# Altium PCB UltraZohm_ADC.PcbDoc (part 3 of 4) (continued)
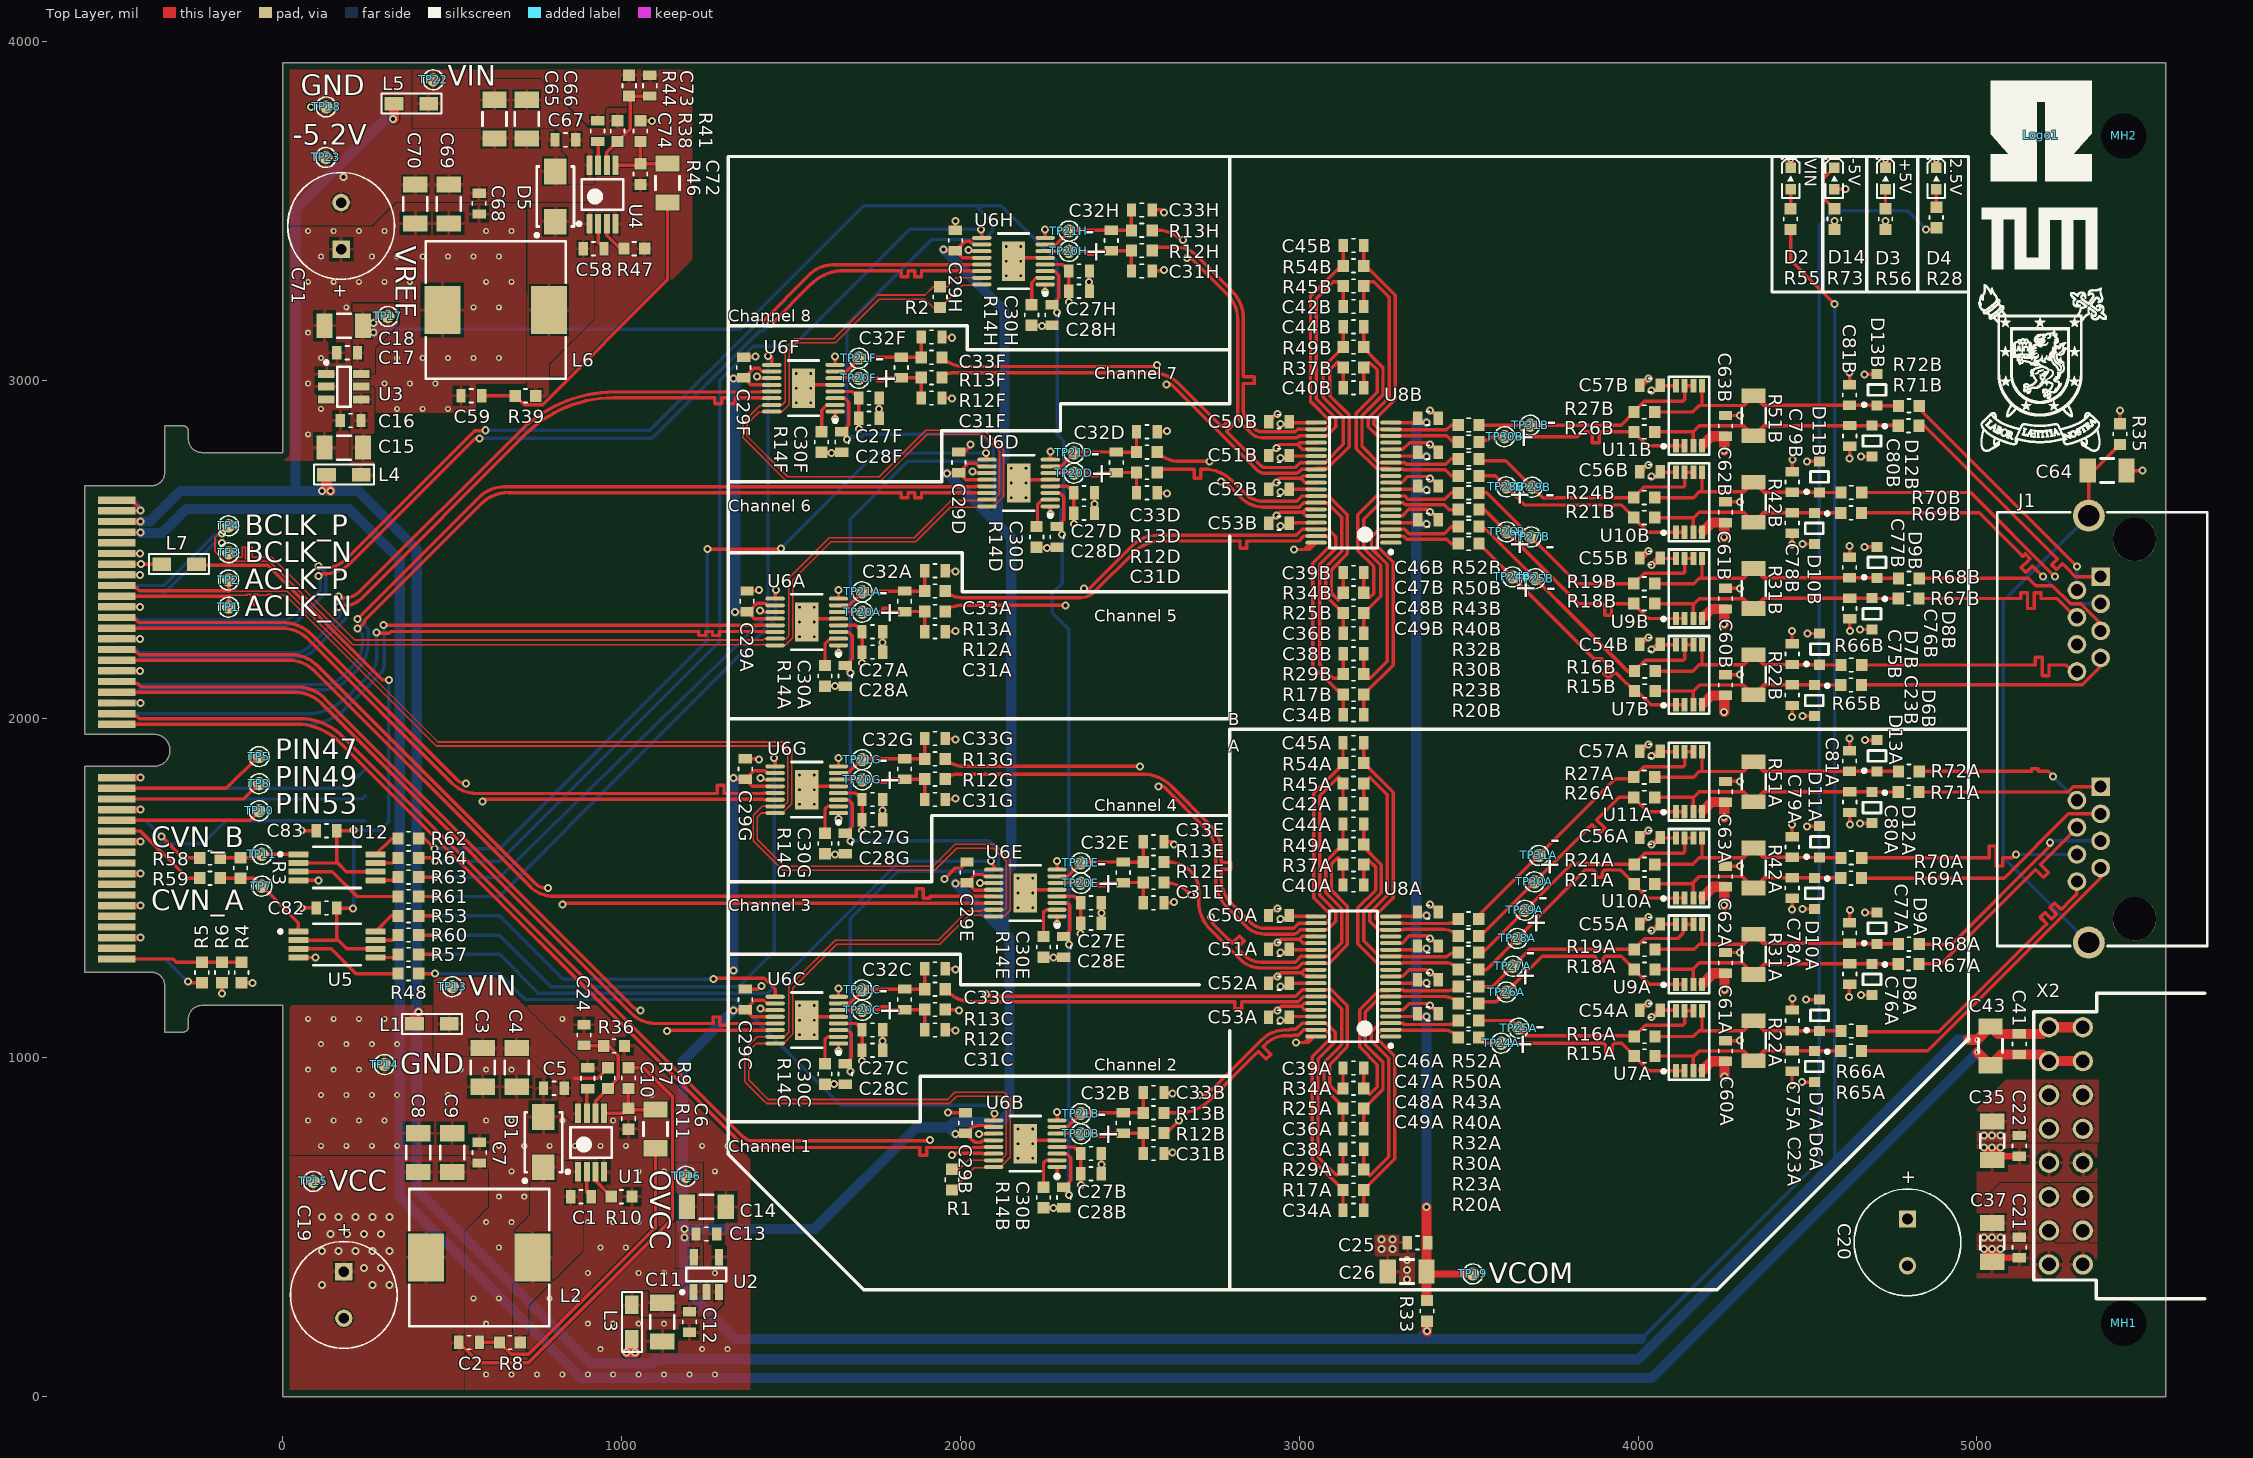
[diagram p0: Top Layer view]
## Nets (pads, with @x,y where several pads share a name; then routed paths per layer and width w, separated by ;. In a path a pad name is that pad's centre, name@x,y a point inside that pad or via, vN(x,y) a via of type N, cw(c..) or ccw(c..) an arc to the next point about the centre after c; other vN are vias at no path point) (continued)
  Top Layer w20: X1.75@-490,1354.33 v1@-420,1354.33 ; X1.69@-490,1448.82 v1(-420,1448.82) ; X1.63@-490,1543.31 v1(-420,1543.31) ; X1.51@-490,1732.28 v1(-420,1732.28) ; X1.45@-490,1826.77 v1(-420,1826.77) ; X1.57@-489.9,1637.9 v1@-420.1,1637.9 ; D2.1@4450,3626.5 v2(4450,3650.4) ; D3.1@4730,3626.5 v2(4730,3650) ; D4.1@4880,3626.5 v2(4880,3650) ; v1(5020,435) C37.1@5045,410 ; v1(5020,735) C35.1@5045,710 ; C37.1@5045,397.91 C37.1@5045,410 ; C37.1@5056.57,409.49 C21.1@5125,409.49 ; v1(5070,435) C37.1@5045,410 ; v1(5070,735) C35.1@5045,710 ; C22.1@5125,709.49 5056.57,709.49 C35.1@5045,697.91 C35.1@5045,710
  Top Layer w30: v2(5001.41,1016.5) C43.1@5040,977.91 5071.57,1009.49 C41.1@5125,1009.49 5193.07,1009.49 X2.10@5212.56,990 X2.2@5312.56,990
  Bottom Layer w10: v1@-420.1,1637.9 v1(-420,1638)
  Bottom Layer w20: X1.76@-490,1354.33 v1@-420,1354.33 ; X1.70@-490,1448.82 v1(-420,1448.82) ; X1.64@-490,1543.31 v1(-420,1543.31) ; X1.52@-490,1732.28 v1(-420,1732.28) ; X1.46@-490,1826.77 v1(-420,1826.77) ; X1.40@-490,2047.24 v1(-420,2047.24) ; X1.34@-490,2141.73 v1(-421,2141.73) ; X1.28@-490,2236.22 v1(-422,2236.22) ; X1.22@-490,2331 v1(-421,2331) ; X1.16@-490,2425.2 v1(-422,2425.2) ; X1.12@-490,2488.19 v1(-422,2488.19) ; X1.8@-490,2550 v1(-420,2550) ; X1.4@-490,2614.17 -421.81,2614.17 -420.98,2615 v1(-420,2615) -420,2619.96 -445.71,2645.67 X1.2@-490,2645.67 ; X1.58@-489.9,1637.9 v1@-420.1,1637.9
  Bottom Layer w30: v1@-420,2549.18 -355.82,2549.18 -285,2620 195,2620 345,2470 345,590 880,55 4039.91,55 v2(5001.41,1016.5)
  other v1: 3318.46,345 3318.46,374 3318.46,403.5 3242,435 5045,435 3275,436 3242,464 3275,464 5045,735 3385,1154 3385,1251 3385,1352 -420,1354.49 3385,1452
  other v2: 600,65 675,65 750,65 825,65 900,65 975,65 1050,65 1125,65 1200,65 1275,65 937.5,140 1237.5,140 1312.5,140 600,215 900,215 975,215 1050,215 1125,215 562.5,290 637.5,290 787.5,290 862.5,290 900,365 1050,365 1125,365 1275,365 637.5,440 937.5,440 1012.5,440 600,515 675,515 900,515 975,515 1050,515 637.5,590 712.5,590 675,665 1050,665 1125,665 1275,665 112.5,740 187.5,740 262.5,740 337.5,740 637.5,740 712.5,740 787.5,740 862.5,740 937.5,740 1012.5,740 1237.5,740 1312.5,740 75,815 150,815 225,815 300,815 600,815 675,815 825,815 975,815 112.5,890 187.5,890 262.5,890 337.5,890 487.5,890 1087.5,890 75,965 150,965 225,965 450,965 525,965 600,965 675,965 112.5,1040 187.5,1040 262.5,1040 337.5,1040 75,1115 150,1115 225,1115 300,1115 825,1115 75,2840 112.5,2915 337.5,2915 412.5,2915 487.5,2915 75,2990 300,2990 375,2990 450,2990 112.5,3065 337.5,3065 412.5,3065 487.5,3065 562.5,3065 637.5,3065 75,3140 187.5,3215 562.5,3215 637.5,3215 75,3290 150,3290 225,3290 300,3290 375,3290 600,3290 675,3290 112.5,3365 262.5,3365 337.5,3365 412.5,3365 487.5,3365 562.5,3365 637.5,3365 75,3440 150,3440 225,3440 300,3440 600,3440 675,3440
  other v3: 2169.84,703.15 2213.15,703.15 2169.84,746.46 2213.15,746.46 2169.84,789.76 2213.15,789.76 1524.84,1067.8 1568.15,1067.8 1524.84,1111.1 1568.15,1111.1 1524.84,1154.41 1568.15,1154.41 2169.84,1442.8 2213.15,1442.8 2169.84,1486.1 2213.15,1486.1 2169.84,1529.41 2213.15,1529.41 1524.84,1747.8 1568.15,1747.8 1524.84,1791.1 1568.15,1791.1 1524.84,1834.41 1568.15,1834.41 1524.84,2242.8 1568.15,2242.8 1524.84,2286.1 1568.15,2286.1 1524.84,2329.41 1568.15,2329.41 2149.84,2652.99 2193.15,2652.99 2149.84,2696.3 2193.15,2696.3 2149.84,2739.61 2193.15,2739.61 1514.84,2932.8 1558.15,2932.8 1514.84,2976.1 1558.15,2976.1 1514.84,3019.41 1558.15,3019.41 2134.84,3307.8 2178.15,3307.8 2134.84,3351.1 2178.15,3351.1 2134.84,3394.41 2178.15,3394.41
NetC1_1: C1.1 U1.2 | length 78.9
  Top Layer w10: U1.2@897.2,663.39 897.2,603.31 C1.1@910.51,590
NetC2_2: C2.2 C6.2 R8.2 | length 922.2
  Top Layer w10: C2.2@580.51,160 R8.2@639.49,160 674.49,125 725,125 1100,500 C6.2@1100,732.91
NetC3_2: C3.2 C4.2 C5.1 L1.2 R7.1 TP13.1 U1.8 | length 112.6
  Top Layer w10: 860,940 929.49,940 R7.1@960,970.51
NetC6_1: C6.1 R9.1 R11.2 U1.5 | length 217.8
  Top Layer w10: U1.5@948.39,836.61 1006.1,836.61 R11.2@1020,850.51 ; R9.1@1020,909.49 R11.2@1020,850.51 ; C6.1@1100,847.09 1023.43,847.09 R11.2@1020,850.51
NetC10_1: C10.1 U1.7 | length 73.6
  Top Layer w10: U1.7@897.2,836.61 897.2,906.22 C10.1@900,909.02
NetC23A_1: C23A.1 D6A.1 R15A.1 R22A.2 R65A.2 U7A.3 | length 622.4
  Top Layer w10: R15A.1@4049.51,1005.04 4160.04,1005.04 4162.8,1002.28 ; U7A.3@4162.8,961.42 4162.8,1002.28 ; R65A.2@4598,1020.28 D6A.1@4520.17,1020.28 4519.66,1020.8 C23A.1@4454.51,1020.8 4370.85,1020.8 R22A.2@4341,990.94 4311.94,1020 4180.51,1020 4162.8,1002.28
NetC23B_1: C23B.1 D6B.1 R15B.1 R22B.2 R65B.2 U7B.3 | length 620.7
  Top Layer w10: R15B.1@4050.02,2082.28 4162.8,2082.28 ; U7B.3@4162.8,2041.42 4162.8,2082.28 ; R65B.2@4598,2100.28 D6B.1@4520.17,2100.28 4519.72,2100.73 C23B.1@4454.51,2100.73 4370.79,2100.73 R22B.2@4341,2070.94 4311.94,2100 4180.51,2100 4162.8,2082.28
NetC58_2: C58.2 U4.2 | length 80.7
  Top Layer w10: U4.2@930.4,3461.17 930.4,3404.9 C58.2@947.71,3387.6
NetC59_2: C59.2 C72.1 R39.1 | length 940.8
  Top Layer w10: C59.2@586.71,2953.78 R39.1@685.69,2953.78 711.9,2927.57 766.96,2927.57 1135.2,3295.8 C72.1@1135.2,3524.7
NetC64_2: C64.2 J1.S1 J1.S2 R35.2 | length 1728.7
  Top Layer w10: C64.2@5326.91,2733 C64.2@5330,2733 ; J1.S2@5330,2600 C64.2@5330,2733 ; R35.2@5422,2809.98 5345.02,2733 C64.2@5330,2733
  Bottom Layer w10: J1.S1@5330,1340 5078,1592 5078,2348 J1.S2@5330,2600
NetC75A_1: C75A.1 D7A.1 R16A.1 R22A.1 R66A.2 U7A.5 | length 639.1
  Top Layer w10: R16A.1@4049.51,1062.83 4163.35,1062.83 4180.51,1080 4188.39,1080 ; U7A.5@4188.39,1138.58 4188.39,1080 ; R66A.2@4598.49,1079.28 4598.43,1079.22 D7A.1@4535,1079.22 4534.45,1079.77 C75A.1@4455,1079.77 4370.28,1079.77 R22A.1@4341,1109.06 4311.94,1080 4188.39,1080
NetC75B_1: C75B.1 D7B.1 R16B.1 R22B.1 R66B.2 U7B.5 | length 639.3
  Top Layer w10: R16B.1@4050.02,2140.99 4161.5,2140.99 4180.51,2160 4188.39,2160 ; U7B.5@4188.39,2218.58 4188.39,2160 ; R66B.2@4598.49,2159.28 4535.63,2159.28 D7B.1@4535,2159.91 4455.86,2159.91 C75B.1@4455,2160.77 4369.28,2160.77 R22B.1@4341,2189.06 4311.94,2160 4188.39,2160
NetC76A_1: C76A.1 D8A.1 R18A.1 R31A.2 R67A.2 U9A.3 | length 799.7
  Top Layer w10: R18A.1@4049.51,1261 4161.51,1261 4162.8,1262.28 ; U9A.3@4162.8,1216.42 4162.8,1262.28 ; R67A.2@4768,1277.28 4767.94,1277.35 D8A.1@4690.17,1277.35 4689.72,1277.8 C76A.1@4624.51,1277.8 4372.85,1277.8 R31A.2@4341,1245.94 4306.94,1280 4180.51,1280 4162.8,1262.28
NetC76B_1: C76B.1 D8B.1 R18B.1 R31B.2 R67B.2 U9B.3 | length 793.9
  Top Layer w10: R18B.1@4048.51,2340 4160.08,2340 4162.8,2337.28 ; U9B.3@4162.8,2296.42 4162.8,2337.28 ; D8B.1@4690.17,2356.35 D8B.1@4690.13,2356.31 ; R67B.2@4768,2355.28 4691.16,2355.28 D8B.1@4690.13,2356.31 ; 4162.8,2337.28 4180.51,2355 4311.94,2355 R31B.2@4341,2325.94 4371.36,2356.31 C76B.1@4624.51,2356.31 D8B.1@4690.13,2356.31
NetC77A_1: C77A.1 D9A.1 R19A.1 R31A.1 R68A.2 U9A.5 | length 807.7
  Top Layer w10: R19A.1@4049.51,1320 4165.51,1320 4180.51,1335 4188.39,1335 ; U9A.5@4188.39,1393.58 4188.39,1335 ; R68A.2@4768.49,1335.28 4767.55,1336.22 D9A.1@4705,1336.22 4625.27,1336.22 C77A.1@4624,1337.49 4367.57,1337.49 R31A.1@4341,1364.06 4311.94,1335 4188.39,1335
NetC77B_1: C77B.1 D9B.1 R19B.1 R31B.1 R68B.2 U9B.5 | length 809.2
  Top Layer w10: R19B.1@4048.51,2399 4164.51,2399 4180.51,2415 4188.39,2415 ; U9B.5@4188.39,2473.58 4188.39,2415 ; R68B.2@4768.49,2415.09 4705.94,2415.09 D9B.1@4705,2416.03 4704.54,2416.49 C77B.1@4624,2416.49 4368.57,2416.49 R31B.1@4341,2444.06 4311.94,2415 4188.39,2415
NetC78A_1: C78A.1 D10A.1 R21A.1 R42A.2 R69A.2 U10A.3 | length 631.2
  Top Layer w10: R21A.1@4049.1,1513.23 4158.75,1513.23 4162.8,1517.28 ; U10A.3@4162.8,1471.42 4162.8,1517.28 ; R69A.2@4598,1530.13 4596.94,1531.19 D10A.1@4520.17,1531.19 4454.96,1531.19 C78A.1@4454.51,1531.64 4371.69,1531.64 R42A.2@4341,1500.94 4306.94,1535 4180.51,1535 4162.8,1517.28
NetC78B_1: C78B.1 D10B.1 R21B.1 R42B.2 R69B.2 U10B.3 | length 623.1
  Top Layer w10: R21B.1@4048.51,2594 4161.08,2594 4162.8,2592.28 ; U10B.3@4162.8,2550.91 4162.8,2592.28 ; R69B.2@4598,2608.28 4597.94,2608.35 D10B.1@4520.17,2608.35 4519.72,2608.8 C78B.1@4454.51,2608.8 4369.36,2608.8 R42B.2@4341,2580.43 4311.43,2610 4180.51,2610 4162.8,2592.28
NetC79A_1: C79A.1 D11A.1 R24A.1 R42A.1 R70A.2 U10A.5 | length 639.8
  Top Layer w10: R24A.1@4049.1,1571 4161.51,1571 4180.51,1590 4188.39,1590 ; U10A.5@4188.39,1648.58 4188.39,1590 ; R70A.2@4598.49,1590.25 4535.94,1590.25 D11A.1@4535,1591.19 4455.55,1591.19 C79A.1@4455,1591.74 4368.32,1591.74 R42A.1@4341,1619.06 4311.94,1590 4188.39,1590
NetC79B_1: C79B.1 D11B.1 R24B.1 R42B.1 R70B.2 U10B.5 | length 639.5
  Top Layer w10: R24B.1@4048.51,2653 4163.51,2653 4180.51,2670 4188.39,2670 ; U10B.5@4188.39,2728.07 4188.39,2670 ; R70B.2@4598.49,2668.28 4598.43,2668.22 D11B.1@4535,2668.22 4534.45,2668.77 C79B.1@4455,2668.77 4370.77,2668.77 R42B.1@4341,2698.54 4312.46,2670 4188.39,2670
NetC80A_1: C80A.1 D12A.1 R26A.1 R51A.2 R71A.2 U11A.3 | length 793
  Top Layer w10: R26A.1@4047.89,1768.49 4161.59,1768.49 4162.8,1767.28 ; U11A.3@4162.8,1726.42 4162.8,1767.28 ; R71A.2@4768,1784.28 D12A.1@4690.17,1784.35 D12A.1@4690.17,1784.35 4689.72,1784.8 C80A.1@4624.51,1784.8 4369.85,1784.8 R51A.2@4341,1755.94 4311.94,1785 4180.51,1785 4162.8,1767.28
NetC80B_1: C80B.1 D12B.1 R26B.1 R51B.2 R71B.2 U11B.3 | length 793.1
  Top Layer w10: R26B.1@4048.57,2847.28 4162.8,2847.28 ; U11B.3@4162.8,2806.42 4162.8,2847.28 ; R51B.2@4341,2835 4311,2865 4180.51,2865 4162.8,2847.28 ; R51B.2@4341,2835.94 4370.85,2865.8 C80B.1@4624.51,2865.8 4689.62,2865.8 D12B.1@4690.17,2866.35 4766.94,2866.35 R71B.2@4768,2865.28
NetC81A_1: C81A.1 D13A.1 R27A.1 R51A.1 R72A.2 U11A.5 | length 810.3
  Top Layer w10: R27A.1@4047.89,1828 R27A.1@4048.51,1828 4163.51,1828 4180.51,1845 4188.39,1845 ; U11A.5@4188.39,1903.58 4188.39,1845 ; R72A.2@4768.49,1845.28 4705.13,1845.28 D13A.1@4705,1845.16 4624.33,1845.16 C81A.1@4624,1845.49 4369.57,1845.49 R51A.1@4341,1874.06 4311.94,1845 4188.39,1845
NetC81B_1: C81B.1 D13B.1 R27B.1 R51B.1 R72B.2 U11B.5 | length 810.7
  Top Layer w10: R27B.1@4048.57,2906 4161.51,2906 4180.51,2925 4188.39,2925 ; U11B.5@4188.39,2983.58 4188.39,2925 ; R72B.2@4768.49,2924.28 4705.94,2924.28 D13B.1@4705,2925.22 4704.73,2925.49 C81B.1@4624,2925.49 4369.57,2925.49 R51B.1@4341,2954.06 4311.94,2925 4188.39,2925
NetD2_2: D2.2 R55.1 | length 58
  Top Layer w10: R55.1@4450,3505.51 D2.2@4450,3563.5
NetD3_2: D3.2 R56.1 | length 58
  Top Layer w10: R56.1@4730,3505.51 D3.2@4730,3563.5
NetD4_2: D4.2 R28.1 | length 58
  Top Layer w10: R28.1@4880,3505.51 D4.2@4880,3563.5
NetD14_1: D14.1 R73.2 | length 147.9
  Top Layer w10: R73.2@4579,3505.51 4546.5,3538.01 4546.5,3594 D14.1@4579,3626.5
NetL7_2: L7.2 X1.13 X1.14 | length 204.6
  Top Layer w10: X1.13@-490,2456.69 v4(-418.24,2456.69) L7.2@-357.18,2456.69
  Bottom Layer w10: X1.14@-490,2456.69 v4(-418.24,2456.69)
NetR4_2: R4.2 R5.1 R6.2 X1.79 | length 372.4
  Top Layer w10: X1.79@-490,1291.34 -323.34,1291.34 -314.05,1282.05 -121.53,1282.05 R4.2@-121.49,1282.09
NetR5_2: R5.2 X1.80 | length 280.1
  Top Layer w10: v1(-280,1225) -276.06,1221.06 R5.2@-239,1221.06
  Bottom Layer w10: X1.80@-490,1291.34 -346.34,1291.34 v1(-280,1225)
NetR10_2: R10.2 U1.3 | length 92.7
  Top Layer w10: U1.3@922.8,663.39 922.8,636.69 R10.2@969.49,590
NetR14A_2: R14A.2 U6A.2 | length 109.9
  Top Layer w10: R14A.2@1600,2157.72 1600,2221.06 1615.83,2236.89 U6A.2@1640,2236.89
NetR14B_2: R14B.2 U6B.2 | length 114.6
  Top Layer w10: R14B.2@2245,618.07 2245,689.47 2252.77,697.24 U6B.2@2285,697.24
NetR14C_2: R14C.2 U6C.2 | length 114.6
  Top Layer w10: R14C.2@1600,982.72 1600,1054.12 1607.77,1061.89 U6C.2@1640,1061.89
NetR14D_2: R14D.2 U6D.2 | length 109.9
  Top Layer w10: R14D.2@2225,2567.91 2227.39,2570.3 2227.39,2633.65 2240.83,2647.09 U6D.2@2265,2647.09
NetR14E_2: R14E.2 U6E.2 | length 114.6
  Top Layer w10: R14E.2@2245,1357.72 2245,1429.12 2252.77,1436.89 U6E.2@2285,1436.89
NetR14F_2: R14F.2 U6F.2 | length 109.9
  Top Layer w10: R14F.2@1590,2847.72 1590,2911.06 1605.83,2926.89 U6F.2@1630,2926.89
NetR14G_2: R14G.2 U6G.2 | length 114.6
  Top Layer w10: R14G.2@1600,1662.72 1600,1734.12 1607.77,1741.89 U6G.2@1640,1741.89
NetR14H_2: R14H.2 U6H.2 | length 110.9
  Top Layer w10: R14H.2@2210,3222.72 2210,3287.82 2224.07,3301.89 U6H.2@2250,3301.89
NetR48_1: R48.1 U5.3 | length 324.4
  Top Layer w10: U5.3@45.83,1321.41 142.59,1321.41 216,1248 R48.1@339.84,1248
NetR53_1: R53.1 U5.8 | length 84.9
  Top Layer w10: U5.8@274.17,1372.59 320.58,1419 R53.1@339.84,1419
NetR57_1: R57.1 U5.5 | length 69.5
  Top Layer w10: U5.5@274.17,1295.82 330.66,1295.82 R57.1@339.84,1305
NetR58_1: R58.1 X1.54 | length 290.4
  Top Layer w10: v1(-358,1653) -295,1590 R58.1@-245.51,1590
  Bottom Layer w10: X1.54@-490,1700.79 -405.79,1700.79 v1(-358,1653)
NetR59_2: R59.2 X1.55 | length 302.2
  Top Layer w10: X1.55@-490,1669.29 -420.45,1669.29 -281.15,1530 R59.2@-245.51,1530
NetR60_1: R60.1 U5.7 | length 71.9
  Top Layer w10: U5.7@274.17,1347 324.84,1347 R60.1@339.84,1362
NetR61_1: R61.1 U12.3 | length 324.3
  Top Layer w10: U12.3@45.83,1549.2 145.8,1549.2 219,1476 R61.1@339.84,1476
NetR62_1: R62.1 U12.8 | length 85
  Top Layer w10: U12.8@274.17,1600.39 320.79,1647 R62.1@339.84,1647
NetR63_1: R63.1 U12.5 | length 69.6
  Top Layer w10: U12.5@274.17,1523.61 330.46,1523.61 R63.1@339.84,1533
NetR64_1: R64.1 U12.7 | length 72
  Top Layer w10: U12.7@274.17,1574.8 324.64,1574.8 R64.1@339.84,1590
NetTP5_1: TP5.1 X1.47 | length 457.9
  Top Layer w10: X1.47@-490,1795.28 -166.72,1795.28 TP5.1@-71.5,1890.5
NetTP6_1: TP6.1 X1.48 | length 754.4
  Bottom Layer w10: X1.48@-490,1795.28 186.28,1795.28 TP6.1@241.5,1850.5
NetTP8_1: TP8.1 X1.49 | length 438.7
  Top Layer w10: X1.49@-490,1763.78 -115.22,1763.78 TP8.1@-70,1809
NetTP9_1: TP9.1 X1.50 | length 736.8
  Bottom Layer w10: X1.50@-490,1763.78 233.78,1763.78 TP9.1@243,1773
NetTP10_1: TP10.1 X1.53 | length 432.1
  Top Layer w10: X1.53@-490,1700.79 -96.72,1700.78 TP10.1@-69.25,1728.25
NetTP12_1: TP12.1 X1.56 | length 776.3
  Bottom Layer w10: X1.56@-490,1669.29 -420.45,1669.29 -382.34,1631.19 -236.81,1631.19 -168,1700 TP12.1@242,1700
NetX1_78: X1.78
OUT_N1: C34A.2 R13B.1 R17A.2 U8A.37 | length 1228.9
  Top Layer w10: R13B.1@2600.51,837.56 cw(c2601.58,836.49) 2601.58,838 2650,838 ccw(c2650,953.88) 2731.94,871.94 2867.5,1007.5 2878.33,1018.33 cw(c2879.04,1017.62) 2879.75,1018.33 2901.56,996.51 ccw(c2902.27,997.22) 2902.98,996.51 2915.7,1009.24 ccw(c2915,1009.95) 2915.7,1010.66 2893.89,1032.47 cw(c2894.59,1033.18) 2893.89,1033.89 2900.25,1040.25 cw(c2960,980.5) 2960,1065 2979.15,1065 2980.97,1066.81 2997.05,1066.81 3012.76,1082.52 U8A.37@3049.25,1082.52 3075.53,1082.52 3089.25,1068.8 3089.25,1054.25 3038,1003 3038,700.98 R17A.2@3128.98,610 C34A.2@3128.98,550
OUT_N2: C36A.2 R13C.1 R25A.2 U8A.32 | length 1640.8
  Top Layer w10: R13C.1@1955.51,1202.2 1963.37,1194.35 ccw(c2034.08,1265.06) 2034.08,1165.06 2785,1165.06 2809,1165.06 cw(c2809,1164.06) 2810,1164.06 2810,1145.72 ccw(c2811,1145.72) 2811,1144.72 2829,1144.72 ccw(c2829,1145.72) 2830,1145.72 2830,1164.06 cw(c2831,1164.06) 2831,1165.06 2840,1165.06 2989.94,1165.06 2990,1165 2996.81,1165 3012.76,1180.94 U8A.32@3049.25,1180.94 3089.06,1180.94 3125,1145 3125,1039.04 3073,987.04 3073,912 3128.98,856.02 R25A.2@3128.98,850 C36A.2@3128.98,790
OUT_N3: C40A.2 R13E.1 R37A.2 U8A.27 | length 1120.6
  Top Layer w10: R13E.1@2600.51,1577.2 2614.32,1577.2 cw(c2614.32,1484.32) 2680,1550 cw(c2624.47,1494.47) 2703,1494.47 2703,1461.42 ccw(c2820,1461.42) 2737.27,1378.69 2825.3,1290.66 ccw(c2887.19,1352.55) 2887.19,1265.02 2987.98,1265.02 ccw(c2987.98,1282.02) 3000,1270 3009.37,1279.37 U8A.27@3049.25,1279.37 3088.41,1279.37 3142,1332.96 3142,1447.04 3095,1494.04 3095,1571.98 3113.02,1590 3115,1590 3128.98,1576.02 R37A.2@3128.98,1570 C40A.2@3128.98,1510